# Allegro board 6089-119-RevA_41.brd (continued)
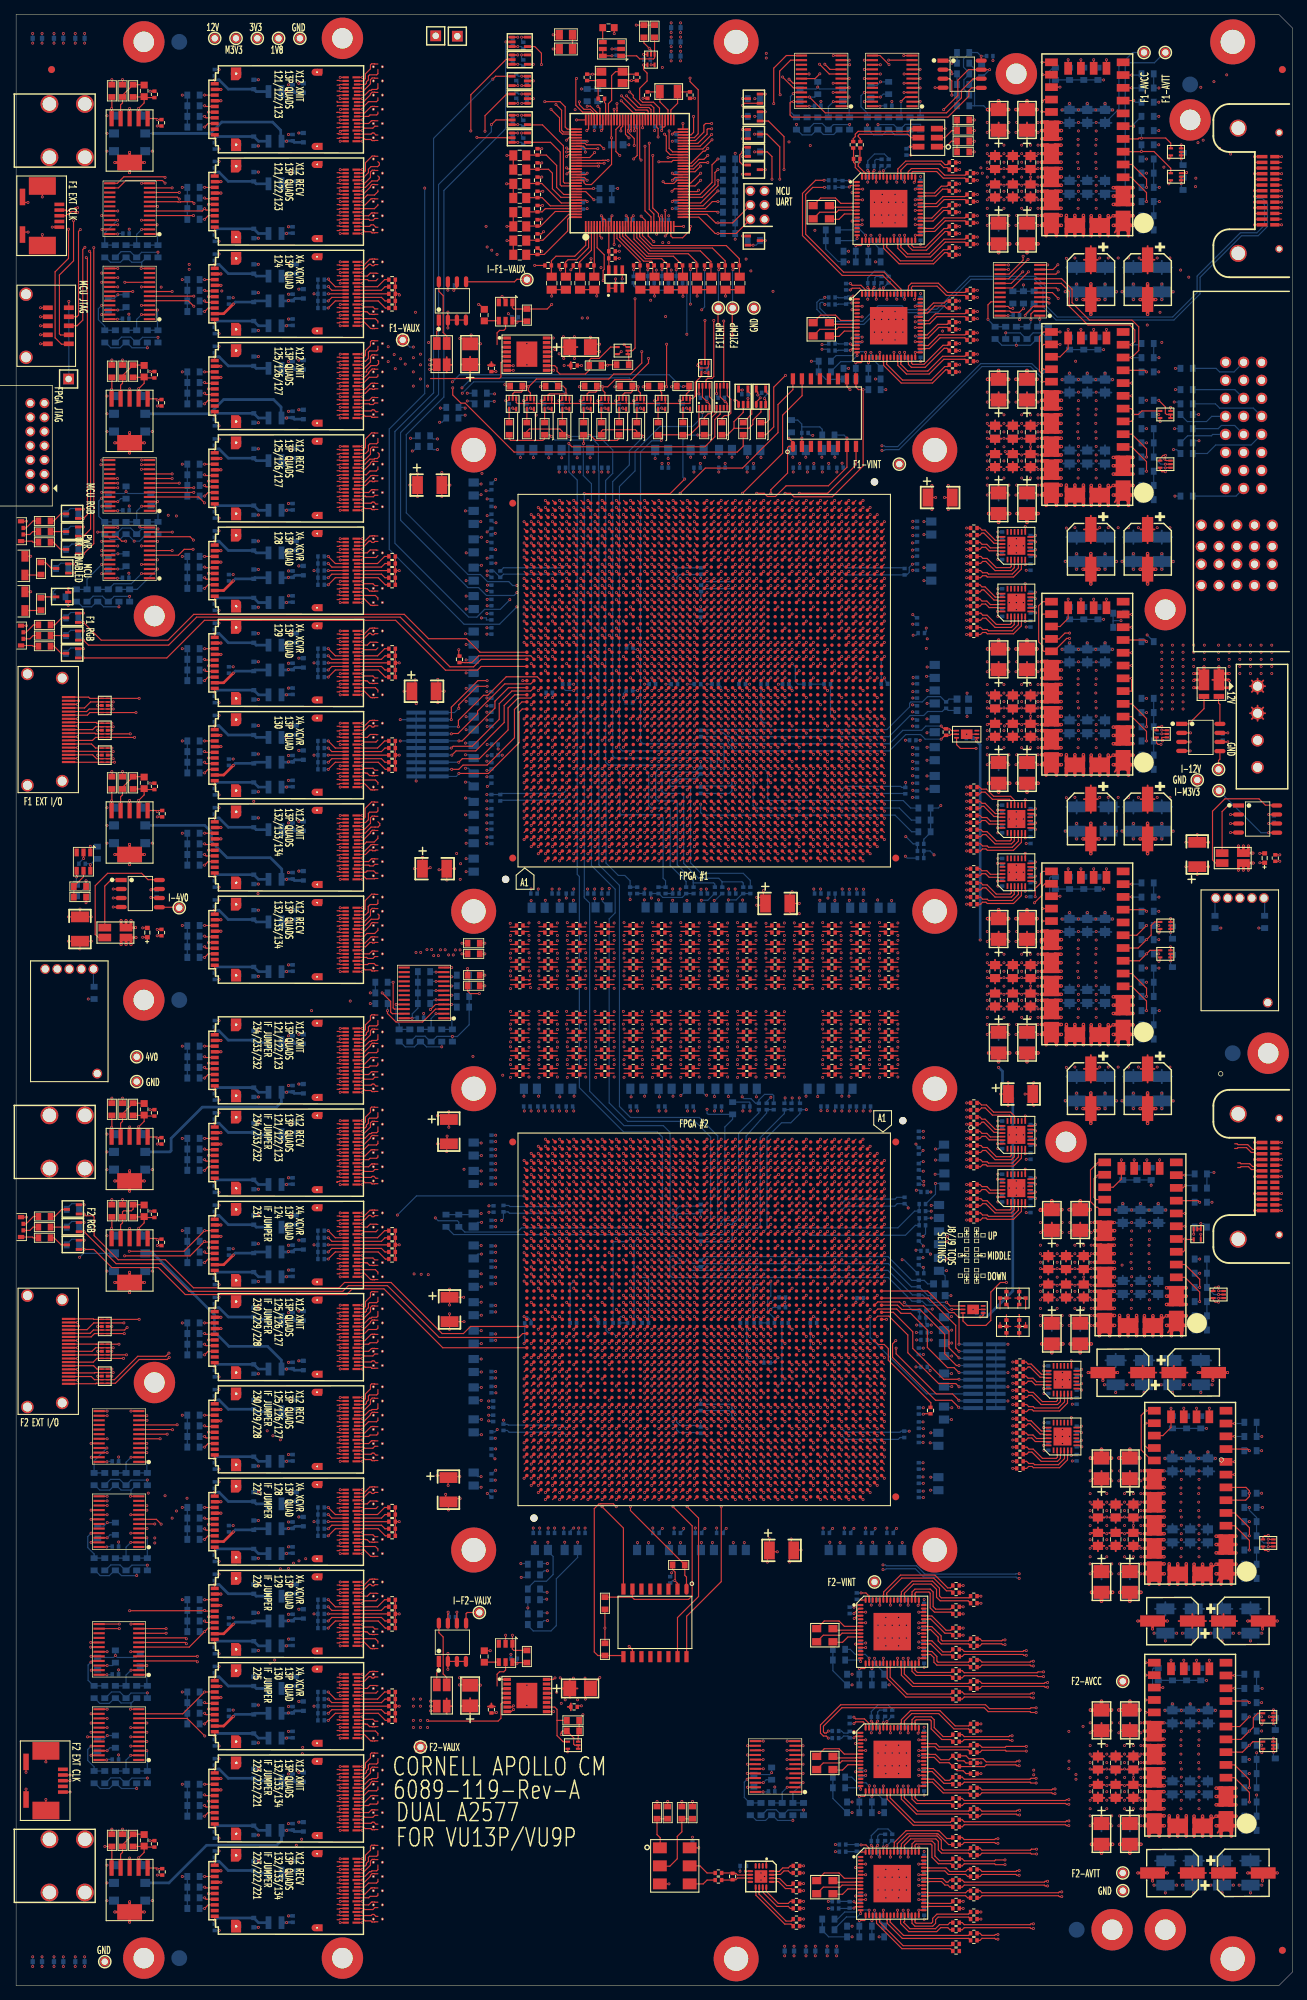
[diagram p0: board, top side]
## Routing (per net, layer and track width the routed paths; a pad name or vN(x,y) marks a point on that pad's centre or on a via; arc(x,y) is an arc through that point) (continued)
NF2_FF2_RECV1: length 68.1
  TOP w0.165: U77.AG51 95.61,68.51 ; U38A.B17 45.65,74.9 45.58,74.97 45.25,74.97
  SIG4 w0.083: 45.25,74.97 45.45,74.77 arc(45.48,74.75) 45.51,74.75 48.35,74.75 arc(49,74.62) 49.55,74.25 49.68,74.12 arc(50.31,73.7) 51.05,73.55 51.96,73.55 arc(52.59,73.42) 53.13,73.06 54.53,71.67 54.66,71.67 54.78,71.67 55.02,71.43 55.02,71.31 55.02,71.18 55.25,70.95 55.38,70.95 55.5,70.95 55.74,70.71 55.74,70.59 55.74,70.46 55.97,70.22 56.1,70.22 56.22,70.23 56.46,69.99 56.46,69.87 56.46,69.74 56.69,69.5 56.82,69.5 56.94,69.5 57.18,69.27 57.18,69.14 57.18,69.02 58.24,67.96 arc(58.96,66.88) 59.21,65.61 59.21,63.79 arc(59.47,62.49) 60.2,61.39 62.85,58.74 arc(63.56,58.27) 64.39,58.11 85.84,58.11 arc(86.83,58.31) 87.67,58.87 95.28,66.48 arc(95.84,67.32) 96.04,68.31 96.04,68.64 arc(95.96,68.83) 95.77,68.9 95.69,68.9 arc(95.63,68.88) 95.61,68.82 95.61,68.51
NF2_FF2_RECV2: length 70.5
  TOP w0.165: U77.AH49 94.61,70.51 ; 51,76.78 50.57,76.78 50.54,76.81 50.19,76.81 50.16,76.78 50.08,76.78 49.7,76.4 U38A.A14
  SIG3 w0.083: 51,76.78 51.64,76.78 arc(51.77,76.76) 51.88,76.68 52,76.56 52.05,76.56 arc(52.08,76.55) 52.11,76.54 52.11,76.53 arc(52.14,76.51) 52.17,76.5 52.37,76.5 arc(53.09,76.36) 53.7,75.95 54.08,75.57 arc(54.55,74.87) 54.71,74.05 54.71,71.41 54.9,71.22 54.9,70.89 54.71,70.7 54.71,70.37 54.9,70.18 54.9,69.85 54.71,69.66 54.71,69.33 54.9,69.14 54.9,68.81 54.71,68.61 54.71,68.28 54.9,68.09 54.9,67.76 54.71,67.57 54.71,66.96 arc(54.98,65.6) 55.75,64.45 62.14,58.05 arc(63.19,57.35) 64.42,57.11 85.07,57.11 arc(85.85,57.26) 86.51,57.7 94.24,65.44 arc(94.83,66.32) 95.04,67.37 95.04,70.64 arc(94.96,70.83) 94.77,70.9 94.69,70.9 arc(94.63,70.88) 94.61,70.82 94.61,70.51
NF2_FF2_RECV3: length 66.5
  TOP w0.165: U38A.B14 45.65,76.4 45.58,76.47 45.25,76.47 ; U77.AJ51 93.61,68.51
  SIG4 w0.083: 93.61,68.51 93.61,68.82 arc(93.63,68.88) 93.69,68.9 93.77,68.9 arc(93.96,68.83) 94.04,68.64 94.04,67.95 arc(93.82,66.83) 93.18,65.88 87.17,59.87 arc(86.33,59.31) 85.34,59.11 64.4,59.11 arc(63.83,59.22) 63.35,59.55 62.38,60.52 60.94,61.96 arc(60.4,62.77) 60.21,63.72 60.21,66.02 arc(59.94,67.38) 59.17,68.53 56.35,71.35 56.35,71.65 56.11,71.89 55.81,71.89 55.57,72.12 55.57,72.42 55.34,72.66 55.04,72.66 54.8,72.89 54.8,73.2 54.57,73.43 54.27,73.43 54.03,73.66 54.03,73.97 53.8,74.2 53.5,74.2 52.85,74.85 arc(52.13,75.33) 51.27,75.5 50.39,75.5 arc(49.8,75.62) 49.3,75.95 arc(48.97,76.17) 48.59,76.25 45.51,76.25 arc(45.48,76.25) 45.45,76.27 45.25,76.47
NF2_FF2_RECV4: length 68.4
  TOP w0.165: U77.AK49 92.61,70.51 ; 48.05,77.9 U38A.A11 49.15,77.9 50.03,78.78 50.16,78.78 50.19,78.81 50.54,78.81 50.57,78.78 51,78.78
  SIG3 w0.083: 51,78.78 51.64,78.78 arc(51.77,78.76) 51.88,78.68 52,78.56 52.05,78.56 arc(52.08,78.55) 52.11,78.54 52.11,78.53 arc(52.14,78.51) 52.17,78.5 52.22,78.5 arc(52.94,78.36) 53.54,77.96 55.18,76.32 arc(55.57,75.73) 55.71,75.04 55.71,73.17 55.85,73.03 55.85,72.7 55.71,72.56 55.71,72.23 55.85,72.09 55.85,71.76 55.71,71.62 55.71,71.29 55.85,71.15 55.85,70.82 55.71,70.68 55.71,70.35 55.85,70.21 55.85,69.88 55.71,69.74 55.71,69.41 55.85,69.27 55.85,68.94 55.71,68.8 55.71,66.89 arc(55.89,65.96) 56.42,65.18 62.78,58.82 arc(63.56,58.29) 64.49,58.11 82.88,58.11 arc(83.83,58.3) 84.64,58.84 92.61,66.81 arc(92.93,67.28) 93.04,67.85 93.04,70.64 arc(92.96,70.83) 92.77,70.9 92.69,70.9 arc(92.63,70.88) 92.61,70.82 92.61,70.51
NF2_FF2_RECV5: length 62
  TOP w0.165: U77.AL51 91.61,68.51 ; 45.25,77.97 45.58,77.97 45.65,77.9 U38A.B11
  SIG4 w0.083: 45.25,77.97 45.45,77.77 arc(45.48,77.75) 45.51,77.75 48.9,77.75 arc(49.09,77.71) 49.25,77.6 arc(49.42,77.49) 49.61,77.45 50.82,77.45 arc(51.68,77.28) 52.4,76.8 55.88,73.32 55.98,73.32 56.08,73.32 56.32,73.08 56.32,72.98 56.32,72.88 56.55,72.65 56.65,72.65 56.75,72.65 56.99,72.41 56.99,72.31 56.99,72.21 57.22,71.98 57.32,71.98 57.42,71.98 57.66,71.74 57.66,71.64 57.66,71.54 57.89,71.31 57.99,71.31 58.09,71.31 58.33,71.07 58.33,70.97 58.33,70.87 58.56,70.64 58.66,70.64 58.76,70.64 59,70.4 59,70.3 59,70.2 65.46,63.73 65.47,63.73 66.83,62.37 66.83,62.36 68.29,60.91 arc(69.17,60.32) 70.22,60.11 85.07,60.11 arc(85.85,60.26) 86.51,60.7 91.38,65.57 arc(91.87,66.31) 92.04,67.18 92.04,68.64 arc(91.96,68.83) 91.77,68.9 91.69,68.9 arc(91.63,68.88) 91.61,68.82 91.61,68.51
NF2_FF2_RECV6: length 67.5
  TOP w0.165: U77.AM49 90.61,70.51 ; 51,80.78 50.57,80.78 50.54,80.81 50.19,80.81 49.95,80.57 49.95,80.45 48.9,79.4 U38A.A8 48.05,79.4
  SIG3 w0.083: 90.61,70.51 90.61,70.82 arc(90.63,70.88) 90.69,70.9 90.77,70.9 arc(90.96,70.83) 91.04,70.64 91.04,67.68 arc(90.87,66.81) 90.38,66.07 84.1,59.8 82.52,59.11 64.34,59.11 63.45,59.45 62.38,60.52 62.25,60.64 59.84,63.06 58.23,64.67 57.42,65.47 arc(56.99,66.07) 56.75,66.77 arc(56.72,66.98) 56.71,67.19 56.71,68.09 56.9,68.28 56.9,68.61 56.71,68.8 56.71,69.13 56.9,69.32 56.9,69.65 56.71,69.84 56.71,70.17 56.9,70.36 56.9,70.69 56.71,70.88 56.71,71.21 56.9,71.4 56.9,71.73 56.71,71.92 56.71,72.25 56.9,72.44 56.9,72.77 56.71,72.96 56.71,75.43 arc(56.49,76.55) 55.85,77.5 53.3,80.05 arc(52.8,80.39) 52.2,80.5 52.17,80.5 arc(52.14,80.51) 52.11,80.53 52.11,80.54 arc(52.08,80.55) 52.05,80.56 52,80.56 51.88,80.68 arc(51.77,80.76) 51.64,80.78 51,80.78
NF2_FF2_RECV7: length 60.7
  TOP w0.165: 45.25,79.47 45.58,79.47 45.65,79.4 U38A.B8 ; U77.AN51 89.61,68.51
  SIG4 w0.083: 45.25,79.47 45.45,79.27 arc(45.48,79.25) 45.51,79.25 48.81,79.25 arc(49.07,79.3) 49.3,79.45 arc(49.41,79.52) 49.54,79.55 51.09,79.55 arc(51.61,79.45) 52.05,79.15 52.61,78.59 arc(52.79,78.31) 52.86,77.99 52.86,77.98 arc(52.89,77.85) 52.96,77.73 54.11,76.59 54.41,76.59 54.64,76.36 54.64,76.05 54.88,75.82 55.18,75.82 55.41,75.59 55.41,75.28 55.65,75.05 55.95,75.05 56.18,74.82 56.18,74.51 56.42,74.28 56.72,74.28 56.95,74.05 56.95,73.74 69.02,61.68 arc(69.65,61.26) 70.39,61.11 84.34,61.11 arc(85.33,61.31) 86.17,61.87 89.14,64.84 arc(89.81,65.83) 90.04,67 90.04,68.64 arc(89.96,68.83) 89.77,68.9 89.69,68.9 arc(89.63,68.88) 89.61,68.82 89.61,68.51
NF2_FF2_RECV8: length 62.8
  TOP w0.165: U77.AP49 88.61,70.51 ; 51,82.78 50.57,82.78 50.54,82.81 50.19,82.81 49.95,82.57 49.95,82.23 49.95,82.23 49.95,81.99 48.86,80.9 U38A.A5 48.05,80.9
  SIG3 w0.083: 88.61,70.51 88.61,70.82 arc(88.63,70.88) 88.69,70.9 88.77,70.9 arc(88.96,70.83) 89.04,70.64 89.04,68.91 arc(88.83,67.83) 88.21,66.91 81.91,60.61 arc(81.36,60.24) 80.71,60.11 70.38,60.11 arc(69.19,60.35) 68.18,61.02 66.83,62.37 58.25,70.95 arc(57.85,71.55) 57.71,72.26 57.71,76.8 arc(57.55,77.62) 57.08,78.32 55.82,79.58 55.82,79.93 55.58,80.17 55.23,80.17 55,80.4 55,80.75 54.77,80.98 54.42,80.98 54.18,81.22 54.18,81.57 53.95,81.8 53.6,81.8 53.28,82.12 arc(52.85,82.4) 52.35,82.5 52.17,82.5 arc(52.14,82.51) 52.11,82.53 52.11,82.54 arc(52.08,82.55) 52.05,82.56 52,82.56 51.88,82.68 arc(51.77,82.76) 51.64,82.78 51,82.78
NF2_FF2_RECV9: length 59.6
  TOP w0.165: 45.25,80.97 45.58,80.97 45.65,80.9 U38A.B5 ; U77.AR51 87.61,68.51
  SIG4 w0.083: 87.61,68.51 87.61,68.82 arc(87.63,68.88) 87.69,68.9 87.77,68.9 arc(87.96,68.83) 88.04,68.64 88.04,66.31 arc(87.84,65.32) 87.28,64.48 85.67,62.87 arc(84.83,62.31) 83.84,62.11 71.45,62.11 arc(70.19,62.36) 69.12,63.07 60.64,71.56 60.64,71.86 60.4,72.1 60.1,72.1 59.87,72.33 59.87,72.63 59.63,72.87 59.33,72.87 59.1,73.1 59.1,73.4 58.86,73.64 58.56,73.64 58.33,73.87 58.33,74.17 58.09,74.41 57.79,74.41 53.98,78.22 arc(53.78,78.52) 53.71,78.86 53.71,79.36 arc(53.6,79.89) 53.3,80.35 52.67,80.97 arc(52.09,81.36) 51.4,81.5 50.19,81.5 arc(49.74,81.41) 49.35,81.15 arc(48.9,80.85) 48.37,80.75 45.51,80.75 arc(45.48,80.75) 45.45,80.77 45.25,80.97
NF2_FF2_RECV10: length 62
  TOP w0.165: U38A.A2 48.66,82.4 48.66,82.4 48.91,82.4 49.24,82.72 49.24,83.39 49.95,84.1 49.95,84.65 50.12,84.81 50.54,84.81 50.57,84.78 51,84.78 ; U77.AT49 86.61,70.51
  SIG3 w0.083: 51,84.78 51.64,84.78 arc(51.77,84.76) 51.88,84.68 52,84.56 52.05,84.56 arc(52.08,84.55) 52.11,84.54 52.11,84.53 arc(52.14,84.51) 52.17,84.5 52.4,84.5 arc(52.9,84.4) 53.33,84.12 54.46,82.99 54.71,82.99 54.95,82.75 54.95,82.63 54.95,82.5 55.18,82.27 55.43,82.27 55.66,82.04 55.66,81.91 55.66,81.79 55.9,81.55 56.15,81.55 56.38,81.32 56.38,81.2 56.38,81.07 56.61,80.84 56.86,80.84 57.1,80.6 57.1,80.48 57.1,80.35 58.01,79.44 arc(58.53,78.67) 58.71,77.76 58.71,72.53 arc(58.81,72.03) 59.09,71.61 68.45,62.25 arc(69.71,61.41) 71.21,61.11 80.21,61.11 arc(80.86,61.24) 81.41,61.61 86.64,66.83 arc(86.94,67.28) 87.04,67.81 87.04,70.64 arc(86.96,70.83) 86.77,70.9 86.69,70.9 arc(86.63,70.88) 86.61,70.82 86.61,70.51
NF2_FF2_RECV11: length 58.4
  TOP w0.165: U38A.B2 45.65,82.4 45.58,82.47 45.25,82.47 ; U77.AU51 85.61,68.51
  SIG4 w0.083: 45.25,82.47 45.45,82.27 arc(45.48,82.25) 45.51,82.25 47.9,82.25 arc(48.82,82.43) 49.6,82.95 arc(50.1,83.28) 50.69,83.4 51.51,83.4 arc(52.33,83.24) 53.02,82.78 54.3,81.5 arc(54.6,81.04) 54.71,80.51 54.71,79.36 arc(54.78,79.02) 54.98,78.72 56.31,77.39 56.61,77.39 56.85,77.15 56.85,76.85 57.08,76.62 57.38,76.62 57.62,76.38 57.62,76.08 57.85,75.85 58.15,75.85 58.39,75.61 58.39,75.31 58.62,75.08 58.92,75.08 59.16,74.84 59.16,74.54 69.95,63.74 arc(70.66,63.27) 71.49,63.11 83.57,63.11 arc(84.35,63.26) 85.01,63.7 85.45,64.14 arc(85.89,64.8) 86.04,65.58 86.04,68.64 arc(85.96,68.83) 85.77,68.9 85.69,68.9 arc(85.63,68.88) 85.61,68.82 85.61,68.51
NF2_FF2_XMIT0: length 87.8
  TOP w0.165: U77.AF44 97.39,75.51 ; 45.25,87.97 45.58,87.97 45.65,87.9 U37A.B17
  SIG1 w0.083: 45.25,87.97 45.45,87.77 arc(45.48,87.75) 45.51,87.75 48.35,87.75 arc(49,87.62) 49.55,87.25 49.68,87.12 arc(50.31,86.7) 51.05,86.55 51.15,86.55 arc(51.93,86.39) 52.6,85.95 53.13,85.41 arc(53.52,84.83) 53.66,84.14 53.66,83.32 53.85,83.13 53.85,82.8 53.66,82.61 53.66,82.28 53.85,82.09 53.85,81.76 53.66,81.57 53.66,81.24 53.85,81.04 53.85,80.71 53.66,80.52 53.66,80.19 53.85,80 53.85,79.67 53.66,79.48 53.66,71.44 arc(54.06,69.4) 55.21,67.68 63.4,59.49 arc(63.83,59.21) 64.33,59.11 88.5,59.11 arc(89.34,59.28) 90.06,59.75 96.72,66.42 arc(97.51,67.6) 97.79,69 97.79,75.67 arc(97.72,75.84) 97.56,75.9 97.47,75.9 arc(97.42,75.88) 97.39,75.82 97.39,75.51
NF2_FF2_XMIT1: length 77.1
  TOP w0.165: 51,87.78 50.72,87.78 50.44,88.06 50.21,88.06 50.05,87.9 U37A.A17 ; U77.AG46 95.61,73.51
  SIG2 w0.083: 95.61,73.51 95.61,73.82 arc(95.63,73.88) 95.69,73.9 95.77,73.9 arc(95.96,73.83) 96.04,73.64 96.04,68.01 arc(95.9,67.3) 95.49,66.69 89.64,60.84 arc(88.78,60.26) 87.76,60.06 70.52,60.06 arc(69.25,60.31) 68.16,61.04 66.96,62.24 66.89,62.31 66.83,62.37 65.47,63.73 55.26,73.94 arc(54.85,74.56) 54.7,75.29 54.7,80.24 54.9,80.44 54.9,80.77 54.7,80.97 54.7,81.3 54.9,81.5 54.9,81.83 54.7,82.03 54.7,82.36 54.9,82.56 54.9,82.89 54.7,83.09 54.7,83.42 54.9,83.62 54.9,83.95 54.7,84.15 54.7,85.02 arc(54.59,85.6) 54.26,86.09 53.22,87.12 arc(52.8,87.41) 52.3,87.5 52.17,87.5 arc(52.14,87.51) 52.11,87.53 52.11,87.54 arc(52.08,87.55) 52.05,87.56 52,87.56 51.88,87.68 arc(51.77,87.76) 51.64,87.78 51,87.78
NF2_FF2_XMIT2: length 80.5
  TOP w0.165: U77.AH44 94.61,75.51 ; 45.25,89.47 45.58,89.47 45.65,89.4 U37A.B14
  SIG1 w0.083: 45.25,89.47 45.45,89.27 arc(45.48,89.25) 45.51,89.25 48.59,89.25 arc(48.97,89.17) 49.3,88.95 arc(49.8,88.62) 50.39,88.5 50.86,88.5 arc(51.77,88.32) 52.55,87.8 53.88,86.46 arc(54.49,85.55) 54.71,84.47 54.71,83.93 54.9,83.74 54.9,83.41 54.71,83.22 54.71,82.89 54.9,82.7 54.9,82.37 54.71,82.18 54.71,81.85 54.9,81.65 54.9,81.32 54.71,81.13 54.71,80.8 54.9,80.61 54.9,80.28 54.71,80.09 54.71,75.73 arc(54.94,74.58) 55.59,73.61 65.46,63.73 65.47,63.73 65.58,63.62 arc(66.15,63.24) 66.82,63.11 90.77,63.11 arc(91.83,63.32) 92.72,63.92 94.19,65.39 arc(94.82,66.33) 95.04,67.44 95.04,75.64 arc(94.96,75.83) 94.77,75.9 94.69,75.9 arc(94.63,75.88) 94.61,75.82 94.61,75.51
NF2_FF2_XMIT3: length 75.6
  TOP w0.165: 51,89.78 50.57,89.78 50.54,89.81 50.19,89.81 50.16,89.78 50.08,89.78 49.7,89.4 U37A.A14 ; U77.AJ46 93.61,73.51
  SIG2 w0.083: 51,89.78 51.64,89.78 arc(51.77,89.76) 51.88,89.68 52,89.56 52.05,89.56 arc(52.08,89.55) 52.11,89.54 52.11,89.53 arc(52.14,89.51) 52.17,89.5 52.3,89.5 arc(52.8,89.41) 53.22,89.12 55.03,87.32 arc(55.53,86.57) 55.7,85.7 55.7,84.71 55.9,84.51 55.9,84.18 55.7,83.98 55.7,83.65 55.9,83.45 55.9,83.12 55.7,82.92 55.7,82.59 55.9,82.39 55.9,82.06 55.7,81.86 55.7,81.53 55.9,81.33 55.9,81 55.7,80.8 55.7,75.79 arc(55.85,75.06) 56.26,74.44 68.68,62.02 arc(69.69,61.35) 70.88,61.11 87.27,61.11 arc(88.33,61.32) 89.22,61.92 93.26,65.96 arc(93.84,66.82) 94.04,67.84 94.04,73.64 arc(93.96,73.83) 93.77,73.9 93.69,73.9 arc(93.63,73.88) 93.61,73.82 93.61,73.51
NF2_FF2_XMIT4: length 78.2
  TOP w0.165: 45.25,90.97 45.58,90.97 45.65,90.9 U37A.B11 ; U77.AK44 92.61,75.51
  SIG1 w0.083: 45.25,90.97 45.45,90.77 arc(45.48,90.75) 45.51,90.75 48.9,90.75 arc(49.09,90.71) 49.25,90.6 arc(49.42,90.49) 49.61,90.45 50.81,90.45 arc(51.82,90.25) 52.67,89.68 54.88,87.47 arc(55.49,86.55) 55.71,85.47 55.71,84.77 55.9,84.58 55.9,84.25 55.71,84.06 55.71,83.73 55.9,83.54 55.9,83.21 55.71,83.02 55.71,82.69 55.9,82.5 55.9,82.17 55.71,81.98 55.71,81.65 55.9,81.46 55.9,81.13 55.71,80.94 55.71,76.23 arc(55.94,75.08) 56.59,74.11 66.04,64.66 arc(66.65,64.25) 67.36,64.11 89.56,64.11 arc(89.93,64.18) 90.24,64.39 92.53,66.68 arc(92.91,67.25) 93.04,67.91 93.04,75.64 arc(92.96,75.83) 92.77,75.9 92.69,75.9 arc(92.63,75.88) 92.61,75.82 92.61,75.51
NF2_FF2_XMIT5: length 73.6
  TOP w0.165: U77.AL46 91.61,73.51 ; 51,91.78 50.57,91.78 50.54,91.81 50.19,91.81 50.16,91.78 50.03,91.78 49.15,90.9 U37A.A11 48.05,90.9
  SIG2 w0.083: 51,91.78 51.64,91.78 arc(51.77,91.76) 51.88,91.68 52,91.56 52.05,91.56 arc(52.08,91.55) 52.11,91.54 52.11,91.53 arc(52.14,91.51) 52.17,91.5 52.22,91.5 arc(52.93,91.36) 53.54,90.96 56.03,88.47 arc(56.53,87.72) 56.7,86.85 56.7,84.96 56.9,84.76 56.9,84.43 56.7,84.23 56.7,83.9 56.9,83.7 56.9,83.37 56.7,83.17 56.7,82.84 56.9,82.64 56.9,82.31 56.7,82.11 56.7,81.78 56.9,81.58 56.9,81.25 56.7,81.05 56.7,77.05 arc(56.75,76.48) 56.91,75.93 57.06,75.55 arc(57.39,74.91) 57.85,74.35 69.28,62.92 arc(70.18,62.32) 71.24,62.11 85.08,62.11 arc(86.31,62.35) 87.36,63.05 91.63,67.33 arc(91.93,67.78) 92.04,68.32 92.04,73.64 arc(91.96,73.83) 91.77,73.9 91.69,73.9 arc(91.63,73.88) 91.61,73.82 91.61,73.51
NF2_FF2_XMIT6: length 76.9
  TOP w0.165: U37A.B8 45.65,92.4 45.58,92.47 45.25,92.47 ; U77.AM44 90.61,75.51
  SIG1 w0.083: 45.25,92.47 45.45,92.27 arc(45.48,92.25) 45.51,92.25 48.81,92.25 arc(49.07,92.3) 49.3,92.45 arc(49.41,92.52) 49.54,92.55 50.81,92.55 arc(51.82,92.35) 52.67,91.78 52.85,91.6 53,91.6 53.15,91.6 53.38,91.37 53.38,91.07 53.61,90.84 53.76,90.84 53.91,90.84 54.15,90.6 54.15,90.3 54.38,90.07 54.53,90.07 54.68,90.07 54.91,89.84 54.91,89.54 55.15,89.3 55.3,89.3 55.45,89.3 55.68,89.07 55.68,88.77 55.95,88.5 arc(56.51,87.66) 56.71,86.66 56.71,76.96 arc(56.98,75.6) 57.75,74.45 66.54,65.66 arc(67.15,65.25) 67.86,65.11 88.6,65.11 arc(89.35,65.26) 89.99,65.69 90.36,66.05 arc(90.86,66.81) 91.04,67.7 91.04,75.64 arc(90.96,75.83) 90.77,75.9 90.69,75.9 arc(90.63,75.88) 90.61,75.82 90.61,75.51
NF2_FF2_XMIT7: length 72
  TOP w0.165: 51,93.78 50.57,93.78 50.54,93.81 50.19,93.81 49.95,93.57 49.95,93.45 48.9,92.4 U37A.A8 48.05,92.4 ; U77.AN46 89.61,73.51
  SIG2 w0.083: 51,93.78 51.64,93.78 arc(51.77,93.76) 51.88,93.68 52,93.56 52.05,93.56 arc(52.08,93.55) 52.11,93.54 52.11,93.53 arc(52.14,93.51) 52.17,93.5 52.55,93.5 arc(53.05,93.41) 53.47,93.12 57.03,89.57 arc(57.53,88.82) 57.7,87.95 57.7,86.4 57.85,86.25 57.85,85.92 57.7,85.77 57.7,85.44 57.85,85.29 57.85,84.96 57.7,84.81 57.7,84.48 57.85,84.33 57.85,84 57.7,83.85 57.7,83.52 57.85,83.37 57.85,83.04 57.7,82.89 57.7,82.56 57.85,82.41 57.85,82.08 57.7,81.93 57.7,77.45 arc(57.74,76.98) 57.88,76.52 57.96,76.3 arc(58.38,75.49) 58.94,74.76 arc(58.99,74.71) 59.03,74.67 69.64,64.06 arc(70.69,63.36) 71.94,63.11 83.92,63.11 arc(85.02,63.33) 85.95,63.95 89.45,67.45 arc(89.9,68.12) 90.05,68.91 90.05,73.6 90.05,73.63 90.04,73.64 arc(90.04,73.66) 90.03,73.69 arc(89.94,73.84) 89.77,73.9 89.69,73.9 arc(89.63,73.88) 89.61,73.82 89.61,73.51
NF2_FF2_XMIT8: length 74.1
  TOP w0.165: U77.AP44 88.61,75.51 ; U37A.B5 45.65,93.9 45.58,93.97 45.25,93.97
  SIG1 w0.083: 88.61,75.51 88.61,75.82 arc(88.63,75.88) 88.69,75.9 88.77,75.9 arc(88.96,75.83) 89.04,75.64 89.04,68.18 arc(88.97,67.79) 88.76,67.45 arc(88.73,67.42) 88.7,67.4 arc(88.14,67.07) 87.51,66.91 arc(87.47,66.9) 87.43,66.9 67.36,66.9 arc(66.84,67) 66.4,67.3 58.91,74.78 arc(58.02,76.12) 57.71,77.69 57.71,87.76 arc(57.51,88.76) 56.95,89.6 56.29,90.27 56.29,90.56 56.05,90.8 55.75,90.8 55.52,91.03 55.52,91.33 55.29,91.56 54.99,91.56 54.75,91.8 54.75,92.1 54.52,92.33 54.22,92.33 53.99,92.56 53.99,92.86 53.75,93.1 53.45,93.1 52.99,93.56 arc(51.95,94.26) 50.72,94.5 50.19,94.5 arc(49.74,94.41) 49.35,94.15 arc(48.9,93.85) 48.37,93.75 45.51,93.75 arc(45.48,93.75) 45.45,93.77 45.25,93.97
NF2_FF2_XMIT9: length 70.8
  TOP w0.165: 51,95.78 50.57,95.78 50.54,95.81 50.19,95.81 49.95,95.57 49.95,95.23 49.95,95.23 49.95,94.99 48.86,93.9 U37A.A5 48.05,93.9 ; U77.AR46 87.61,73.51
  SIG2 w0.083: 87.61,73.51 87.61,73.82 arc(87.63,73.88) 87.69,73.9 87.77,73.9 arc(87.96,73.83) 88.04,73.64 88.04,68.59 arc(87.93,68.03) 87.61,67.55 84.95,64.89 82.98,64.11 72.15,64.11 arc(71.17,64.3) 70.34,64.86 59.19,76.01 arc(58.83,76.55) 58.7,77.2 58.7,83.21 58.9,83.41 58.9,83.74 58.7,83.94 58.7,84.27 58.9,84.47 58.9,84.8 58.7,85 58.7,85.33 58.9,85.53 58.9,85.86 58.7,86.06 58.7,86.39 58.9,86.59 58.9,86.92 58.7,87.12 58.7,88.93 arc(58.57,89.59) 58.19,90.15 53.22,95.12 arc(52.8,95.41) 52.3,95.5 52.17,95.5 arc(52.14,95.51) 52.11,95.53 52.11,95.54 arc(52.08,95.55) 52.05,95.56 52,95.56 51.88,95.68 arc(51.77,95.76) 51.64,95.78 51,95.78
NF2_FF2_XMIT10: length 71.9
  TOP w0.165: U77.AT44 86.61,75.51 ; U37A.B2 45.65,95.4 45.58,95.47 45.25,95.47
  SIG1 w0.083: 86.61,75.51 86.61,75.82 arc(86.63,75.88) 86.69,75.9 86.77,75.9 arc(86.96,75.83) 87.04,75.64 87.04,68.65 arc(87,68.45) 86.89,68.29 86.86,68.26 arc(86.7,68.15) 86.5,68.11 67.73,68.11 arc(67.14,68.23) 66.64,68.56 59.75,75.45 arc(58.98,76.6) 58.71,77.96 58.71,88.47 arc(58.49,89.55) 57.88,90.47 57.09,91.26 57.09,91.51 56.86,91.74 56.73,91.74 56.61,91.74 56.38,91.97 56.38,92.22 56.14,92.46 56.02,92.46 55.89,92.46 55.66,92.69 55.66,92.94 55.42,93.17 55.3,93.17 55.18,93.17 54.94,93.41 54.94,93.66 54.71,93.89 54.58,93.89 54.46,93.89 54.23,94.12 54.23,94.37 53.99,94.61 53.87,94.61 53.74,94.61 52.79,95.56 52.79,95.56 arc(51.86,96.18) 50.76,96.4 50.69,96.4 arc(50.1,96.28) 49.6,95.95 arc(48.82,95.43) 47.9,95.25 45.51,95.25 arc(45.48,95.25) 45.45,95.27 45.25,95.47
NF2_FF2_XMIT11: length 69.7
  TOP w0.165: U37A.A2 48.66,95.4 48.66,95.4 48.91,95.4 49.24,95.72 49.24,96.39 49.95,97.1 49.95,97.65 50.12,97.81 50.54,97.81 50.57,97.78 51,97.78 ; U77.AU46 85.61,73.51
  SIG2 w0.083: 51,97.78 51.64,97.78 arc(51.77,97.76) 51.88,97.68 52,97.56 52.05,97.56 arc(52.08,97.55) 52.11,97.54 52.11,97.53 arc(52.14,97.51) 52.17,97.5 52.2,97.5 arc(52.6,97.43) 52.94,97.2 59.19,90.95 arc(59.57,90.38) 59.71,89.7 59.71,87.21 59.78,87.14 59.78,86.67 59.71,86.6 59.71,86.27 59.85,86.13 59.85,85.8 59.71,85.66 59.71,85.33 59.85,85.19 59.85,84.86 59.71,84.72 59.71,84.39 59.85,84.25 59.85,83.92 59.71,83.78 59.71,83.45 59.85,83.31 59.85,82.98 59.71,82.84 59.71,82.51 59.85,82.37 59.85,82.04 59.71,81.9 59.71,77.99 arc(59.89,77.07) 60.42,76.28 70.68,66.02 arc(71.69,65.35) 72.88,65.11 82.41,65.11 arc(83.34,65.29) 84.12,65.82 85.46,67.16 arc(85.89,67.8) 86.04,68.55 86.04,73.64 arc(85.96,73.83) 85.77,73.9 85.69,73.9 arc(85.63,73.88) 85.61,73.82 85.61,73.51
NF2_FF3_RECV0: length 126.3
  TOP w0.165: 51,9.78 50.72,9.78 50.44,10.06 50.21,10.06 50.05,9.9 U43A.A17 ; U77.C33 120.39,86.51
  SIG4 w0.083: 51,9.78 51.64,9.78 arc(51.77,9.76) 51.88,9.68 52,9.56 52.05,9.56 arc(52.08,9.55) 52.11,9.54 52.11,9.53 arc(52.14,9.51) 52.17,9.5 54.05,9.5 54.2,9.65 54.53,9.65 54.67,9.5 55,9.5 55.15,9.65 55.48,9.65 55.62,9.5 55.95,9.5 56.1,9.65 56.43,9.65 56.57,9.5 56.9,9.5 57.05,9.65 57.38,9.65 57.52,9.5 57.85,9.5 58,9.65 58.33,9.65 58.47,9.5 58.8,9.5 58.95,9.65 59.28,9.65 59.43,9.5 65.95,9.5 arc(66.74,9.66) 67.41,10.11 122.85,65.54 arc(123.8,66.98) 124.14,68.66 124.14,86.17 arc(124,86.86) 123.61,87.44 123.46,87.6 arc(123.07,87.86) 122.6,87.95 121.46,87.95 arc(121.27,87.91) 121.1,87.8 arc(121.03,87.69) 121,87.56 121,87.35 arc(120.87,87.03) 120.56,86.9 120.47,86.9 arc(120.42,86.88) 120.39,86.82 120.39,86.51
NF2_FF3_RECV1: length 139.8
  TOP w0.165: 45.25,9.97 45.58,9.97 45.65,9.9 U43A.B17 ; U77.B35 121.39,84.51
  SIG4 w0.083: 45.25,9.97 45.45,9.77 arc(45.48,9.75) 45.51,9.75 48.35,9.75 arc(49,9.62) 49.55,9.25 49.68,9.12 arc(50.31,8.7) 51.05,8.55 66.49,8.55 arc(67.29,8.71) 67.97,9.16 110.12,51.32 110.12,51.62 110.36,51.86 110.51,51.86 110.66,51.86 110.89,52.09 110.89,52.39 111.13,52.63 111.28,52.63 111.43,52.63 111.66,52.86 111.66,53.16 111.9,53.4 112.05,53.4 112.2,53.4 112.43,53.63 112.43,53.93 112.67,54.17 112.82,54.17 112.97,54.17 124.09,65.29 arc(124.98,66.62) 125.29,68.18 125.29,86.37 arc(125.12,87.24) 124.63,87.98 124.17,88.43 arc(123.6,88.82) 122.92,88.95 120.1,88.95 arc(120.03,88.92) 120,88.85 120,86.32 arc(120.01,86.26) 120.05,86.2 120.11,86.14 arc(120.15,86.11) 120.2,86.1 121.6,86.1 arc(121.88,85.98) 122,85.7 122,85.35 arc(121.87,85.03) 121.56,84.9 121.47,84.9 arc(121.42,84.88) 121.39,84.82 121.39,84.51
NF2_FF3_RECV2: length 119.6
  TOP w0.165: 51,11.78 50.57,11.78 50.54,11.81 50.19,11.81 50.16,11.78 50.08,11.78 49.7,11.4 U43A.A14 ; U77.A33 122.39,86.51
  SIG4 w0.083: 122.39,86.51 122.39,86.82 arc(122.42,86.88) 122.47,86.9 122.59,86.9 arc(122.73,86.84) 122.79,86.7 122.79,76.4 arc(122.72,76.23) 122.55,76.16 121.25,76.16 arc(120.93,76.03) 120.8,75.71 120.8,68.08 arc(120.51,66.62) 119.68,65.38 107.2,52.9 106.95,52.9 106.72,52.67 106.72,52.41 106.48,52.18 106.23,52.18 106,51.95 106,51.69 105.76,51.46 105.51,51.46 105.28,51.23 105.28,50.97 105.04,50.74 104.79,50.74 104.56,50.51 104.56,50.25 104.32,50.02 104.07,50.02 103.84,49.79 103.84,49.53 66.41,12.11 arc(65.74,11.66) 64.95,11.5 52.2,11.5 arc(52.16,11.51) 52.14,11.53 52.08,11.59 arc(52.05,11.6) 52.02,11.61 51.95,11.61 51.83,11.73 arc(51.77,11.77) 51.71,11.78 51,11.78
NF2_FF3_RECV3: length 110.1
  TOP w0.165: 45.25,11.47 45.58,11.47 45.65,11.4 U43A.B14 ; U77.A47 122.39,72.51
  SIG4 w0.083: 122.39,72.51 122.39,72.82 arc(122.42,72.88) 122.47,72.9 122.56,72.9 arc(122.84,72.8) 122.99,72.54 122.99,69.26 arc(122.61,67.35) 121.53,65.73 113.13,57.33 112.98,57.33 112.74,57.09 112.74,56.94 112.51,56.71 112.36,56.71 112.12,56.47 112.12,56.32 111.89,56.09 111.74,56.09 111.5,55.85 111.5,55.7 111.27,55.47 111.12,55.47 110.88,55.23 110.88,55.08 110.65,54.85 110.5,54.85 110.26,54.61 110.26,54.46 110.03,54.23 109.88,54.23 109.64,53.99 109.64,53.84 109.41,53.6 109.25,53.6 109.02,53.37 109.02,53.22 67.08,11.28 arc(66.22,10.7) 65.2,10.5 50.39,10.5 arc(49.8,10.62) 49.3,10.95 arc(48.97,11.17) 48.59,11.25 45.51,11.25 arc(45.48,11.25) 45.45,11.27 45.25,11.47
NF2_FF3_RECV4: length 102.3
  TOP w0.165: U77.C47 120.39,72.51 ; 48.05,12.9 U43A.A11 49.15,12.9 50.03,13.78 50.16,13.78 50.19,13.81 50.54,13.81 50.57,13.78 51,13.78
  SIG3 w0.083: 120.39,72.51 120.39,72.82 arc(120.42,72.88) 120.47,72.9 120.56,72.9 arc(120.72,72.84) 120.79,72.67 120.79,68.6 arc(120.68,68.03) 120.36,67.56 67.9,15.09 arc(66.14,13.92) 64.06,13.5 59.82,13.5 59.63,13.7 59.3,13.7 59.1,13.5 58.77,13.5 58.58,13.7 58.25,13.7 58.05,13.5 57.72,13.5 57.53,13.7 57.2,13.7 57,13.5 56.67,13.5 56.48,13.7 56.15,13.7 55.95,13.5 52.17,13.5 arc(52.14,13.51) 52.11,13.53 52.11,13.54 arc(52.08,13.55) 52.05,13.56 52,13.56 51.88,13.68 arc(51.77,13.76) 51.64,13.78 51,13.78
NF2_FF3_RECV5: length 106.9
  TOP w0.165: U43A.B11 45.65,12.9 45.58,12.97 45.25,12.97 ; U77.E47 118.39,72.51
  SIG4 w0.083: 45.25,12.97 45.45,12.77 arc(45.48,12.75) 45.51,12.75 48.9,12.75 arc(49.09,12.71) 49.25,12.6 arc(49.42,12.49) 49.61,12.45 64.39,12.45 arc(65.19,12.61) 65.87,13.06 105.9,53.1 105.9,53.2 105.9,53.3 106.14,53.54 106.24,53.54 106.34,53.54 106.57,53.77 106.57,53.87 106.57,53.97 106.81,54.21 106.91,54.21 107.01,54.21 107.24,54.44 107.24,54.54 107.24,54.64 107.48,54.88 107.58,54.88 107.68,54.88 107.91,55.11 107.91,55.21 107.91,55.21 107.91,55.31 108.15,55.55 108.25,55.55 108.35,55.55 108.58,55.78 108.58,55.88 108.58,55.88 108.58,55.98 108.82,56.22 108.92,56.22 109.02,56.22 109.25,56.45 109.25,56.55 109.25,56.65 109.49,56.89 109.59,56.89 109.69,56.89 118.86,66.05 arc(119.55,67.09) 119.79,68.31 119.79,70.7 arc(119.72,70.87) 119.55,70.94 119.25,70.94 arc(118.93,71.08) 118.79,71.4 118.79,72.67 arc(118.72,72.84) 118.56,72.9 118.47,72.9 arc(118.42,72.88) 118.39,72.82 118.39,72.51
NF2_FF3_RECV6: length 98.6
  TOP w0.165: 48.05,14.4 U43A.A8 48.9,14.4 49.95,15.45 49.95,15.57 50.19,15.81 50.54,15.81 50.57,15.78 51,15.78 ; U77.D49 119.39,70.51
  SIG3 w0.083: 51,15.78 51.64,15.78 arc(51.77,15.76) 51.88,15.68 52,15.56 52.05,15.56 arc(52.08,15.55) 52.11,15.54 52.11,15.53 arc(52.14,15.51) 52.17,15.5 57.08,15.5 57.22,15.65 57.55,15.65 57.7,15.5 58.03,15.5 58.17,15.65 58.5,15.65 58.65,15.5 58.98,15.5 59.13,15.65 59.46,15.65 59.6,15.5 59.93,15.5 60.08,15.65 60.41,15.65 60.55,15.5 60.88,15.5 61.03,15.65 61.36,15.65 61.5,15.5 61.83,15.5 61.98,15.65 62.31,15.65 62.45,15.5 64.5,15.5 arc(66.7,15.94) 68.56,17.19 119.65,68.28 arc(119.76,68.44) 119.8,68.63 119.8,69.42 119.8,70.2 119.79,70.21 119.79,70.67 arc(119.72,70.84) 119.56,70.9 119.47,70.9 arc(119.42,70.88) 119.39,70.82 119.39,70.51
